# Altium PCB PCB1.PcbDoc (part 1 of 2) (continued)
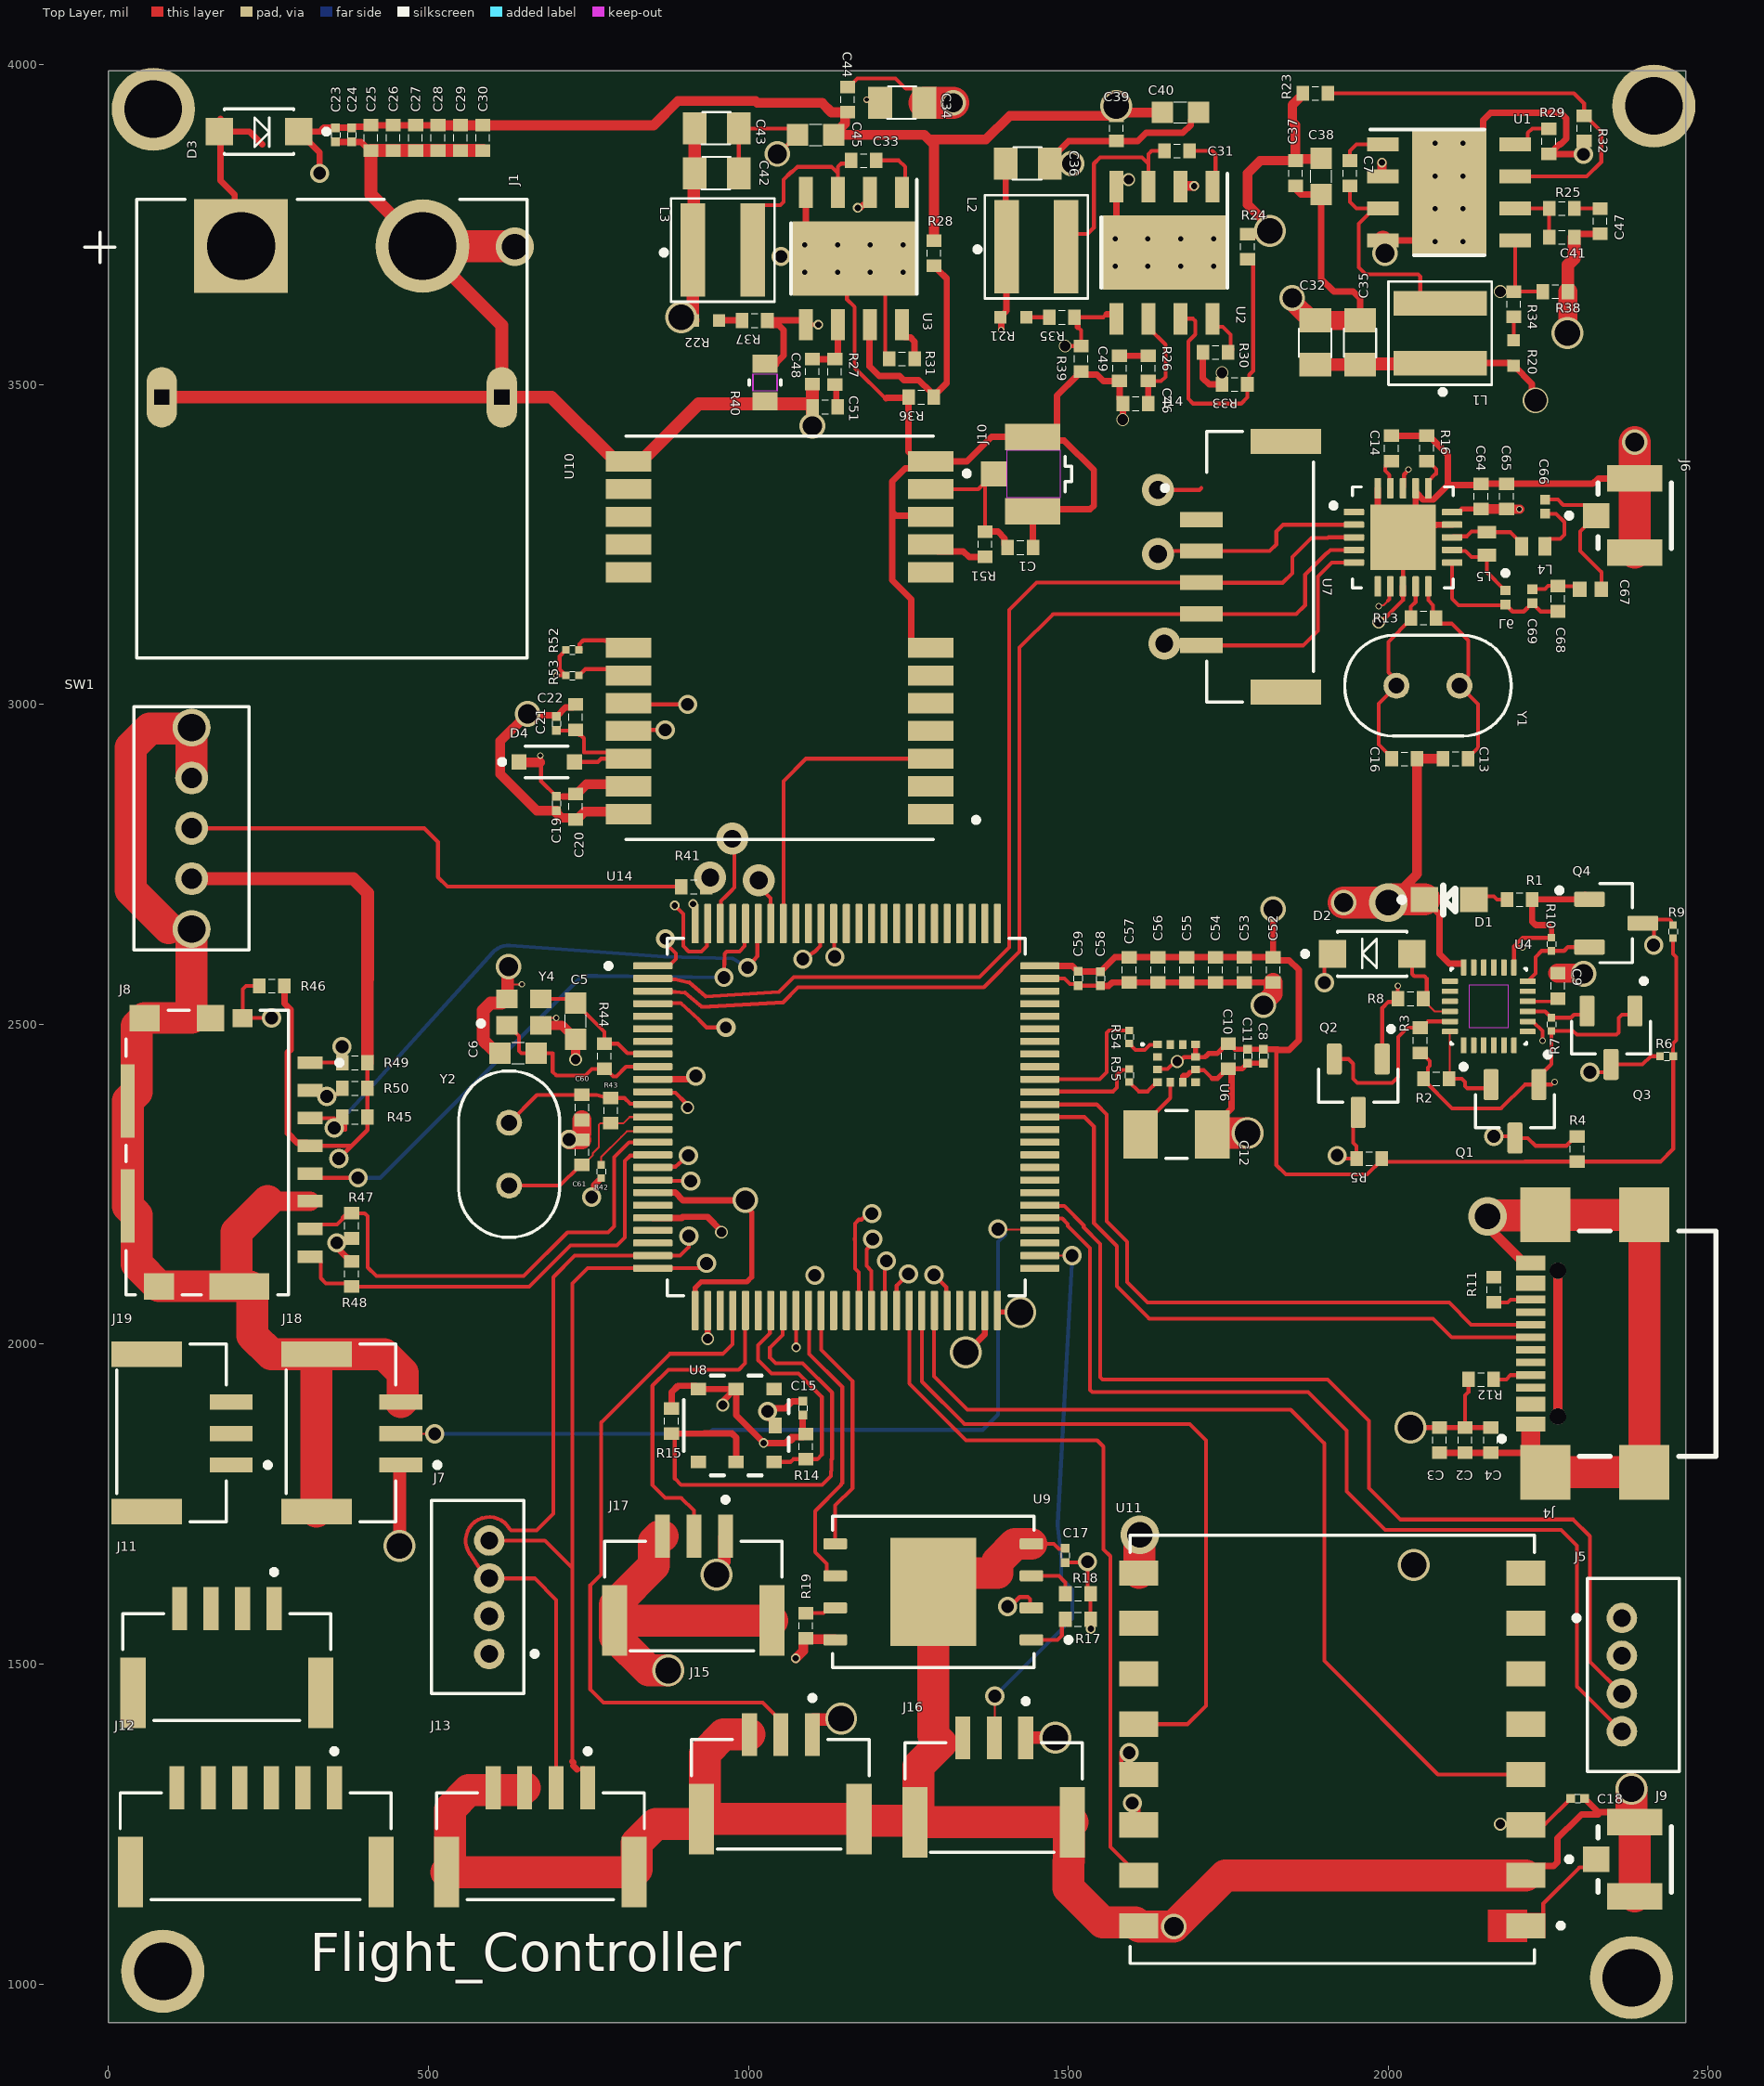
[diagram p0: Top Layer view]
## Footprints (in the part's own frame and the unit in brackets; to place one, negate y for a bottom-side part, rotate by r counter-clockwise, add the part's x,y. Pads: shape width x height; smd on the part's side, far side on the other; paste and mask are expansions set on the pad) (continued)
  rect 20x24 smd paste+0 mask+0: 1(-55,53) 2(-55,-6) 3(-55,-65) 4(59,-65) 5(59,-6) 6(59,53)
  rect 24x20 smd paste+0 mask+0: 7(2,55)
  silkscreen extent -76,-88 80,76, body extent -71,-83 75,71, height 39
BSS138 [mm]
  rrect25% 1.23x0.6 smd: 1(-0.908,0.899) 2(-0.908,-1.001) 3(1.212,-0.051)
  silkscreen extent -2.2,-1.62 0.8,1.52, body extent -1.05,-1.5 1.35,1.4, height 1.11
"C 0201 (0603 Metric)" [mm]
  rect 0.35x0.35 smd paste+0 mask+0: 1(-0.28,0) 2(0.28,0)
  silkscreen extent -0.11,-0.17 0.1,0.17, body extent -0.3,-0.15 0.3,0.15, height 0.3
"C 0402 (1005 Metric)" [mm] "Chip Capacitor, Body 1.0x0.5mm, IPC High Density"
  rect 0.5x0.6 smd: 1(-0.5,0) 2(0.5,0)
  silkscreen extent -0.13,-0.27 0.13,0.27, body extent -0.5,-0.25 0.5,0.25, height 0.52
"C 0603 (1608 Metric)" [mm]
  rect 0.85x0.85 smd paste+0 mask+0: 1(-0.72,0) 2(0.72,0)
  silkscreen extent -0.26,-0.42 0.25,0.42, body extent -0.8,-0.4 0.8,0.4, height 0.82
"C 0805" [mm]
  rect 0.95x1.27 smd: 1(-0.074,0) 2(1.679,0)
  silkscreen extent 0.2,-0.64 1.36,0.65, body extent -0.19,-0.6 1.81,0.6, height 1.2
CAPC0603X33N [mm]
  rect 0.38x0.4 smd paste+0 mask+0.102: 1(-0.281,-0.025) 2(0.281,-0.025)
  body extent -0.3,-0.18 0.3,0.12, height 0.33
CAPC1005X55N [mm]
  rect 0.54x0.6 smd: 1(-0.407,0) 2(0.457,0)
  body extent -0.47,-0.25 0.53,0.25, height 0.55
CAPC3216X190N [mm]
  rect 1.37x1.91 smd: 1(-1.269,-0.076) 2(1.573,-0.076)
  silkscreen extent -0.27,-1.03 0.57,0.87
DDA0008E_L [mm]
  rect 1.25x0.55 smd paste+0 mask+0.051: 1(-2.65,1.778) 2(-2.65,0.508) 3(-2.65,-0.762) 4(-2.65,-2.032) 5(2.6,-2.032) 6(2.6,-0.762) 7(2.6,0.508) 8(2.6,1.778)
  rect 2.95x4.9 smd paste-2.437 mask-2.438: 9(-0.025,-0.127)
  round 0.5 hole 0.203 paste-2539.97 mask-0.241: V(-0.575,-2.077) V(-0.575,-0.777) V(-0.575,0.523) V(-0.575,1.823) V(0.525,-2.077) V(0.525,-0.777) V(0.525,0.523) V(0.525,1.823)
  silkscreen extent -3.15,-2.63 1.37,2.37, body extent -3.03,-2.53 2.97,2.37, height 1.7
ICM-20948 [mm] "gyroscope"
  rrect25% 0.64x0.22 smd: 1(-1.596,0.822) 2(-1.596,0.422) 3(-1.596,0.022) 4(-1.596,-0.378) 5(-1.596,-0.778) 6(-1.596,-1.178) 13(1.494,-1.178) 14(1.494,-0.778) 15(1.494,-0.378) 16(1.494,0.022) 17(1.494,0.422) 18(1.494,0.822)
  rrect25% 0.22x0.64 smd: 7(-1.051,-1.723) 8(-0.651,-1.723) 9(-0.251,-1.723) 10(0.149,-1.723) 11(0.549,-1.723) 12(0.949,-1.723) 19(0.949,1.367) 20(0.549,1.367) 21(0.149,1.367) 22(-0.251,1.367) 23(-0.651,1.367) 24(-1.051,1.367)
  Keep-Out Layer region: 0.799,-0.948 -0.901,-0.948 -0.901,0.592 0.799,0.592
  silkscreen extent -2.55,-1.68 1.45,1.32, body extent -1.55,-1.68 1.45,1.32, height 1
IIS2MDCTR [mm]
  rect 0.35x0.3 smd: 1(-0.648,0.852) 2(-0.648,0.352) 3(-0.648,-0.148) 4(-0.648,-0.648) 7(0.852,-0.648) 8(0.852,-0.148) 9(0.852,0.352) 10(0.852,0.852)
  rect 0.3x0.35 smd: 5(-0.148,-0.648) 6(0.352,-0.648) 11(0.352,0.852) 12(-0.148,0.852)
  silkscreen extent -1.3,0.8 -1.2,0.9, body extent -0.9,-0.9 1.1,1.1, height 0.7
INDC0603X33N [mm]
  rect 0.38x0.4 smd: 1(-0.205,0.076) 2(0.357,0.076)
  silkscreen extent -0.99,-0.02 -0.79,0.18
INDC1006X60N [mm]
  rect 0.51x0.73 smd: 1(-0.308,-0.102) 2(0.612,-0.102)
IPEX_20279-001E-03 [mm]
  rect 1x1.05 smd: 1(0,-1.169)
  rect 1.05x2.2 smd: 2(1.475,0.356) 3(-1.475,0.356)
  Keep-Out Layer region: 0.95,-0.644 -0.95,-0.644 -0.95,1.456 0.95,1.456
  silkscreen extent -0.7,-2.35 0.7,1.91, body extent -1.5,-1.19 1.5,1.91, height 1.25
LQW15AN2N7G8ZD [mm]
  rect 0.51x0.73 smd: 1(-0.425,0.053) 2(0.495,0.053)
LTST-S270KGKT [mm]
  rect 1.1x1 smd: 1(0.977,0) 2(-0.977,0)
  silkscreen extent -0.25,-0.54 1.96,0.6, body extent -0.82,-0.76 0.82,0.39, height 0.63
QFN50P400X400X95-21N [mm]
  rrect25% 0.81x0.26 smd: 1(-1.874,1.025) 2(-1.874,0.525) 3(-1.874,0.025) 4(-1.874,-0.475) 5(-1.874,-0.975) 11(2.026,-0.975) 12(2.026,-0.475) 13(2.026,0.025) 14(2.026,0.525) 15(2.026,1.025)
  rrect25% 0.26x0.81 smd: 6(-0.924,-1.925) 7(-0.424,-1.925) 8(0.076,-1.925) 9(0.576,-1.925) 10(1.076,-1.925) 16(1.076,1.975) 17(0.576,1.975) 18(0.076,1.975) 19(-0.424,1.975) 20(-0.924,1.975)
  rect 2.6x2.6 smd paste-2: 21(0.076,0.025)
  silkscreen extent -2.78,-1.97 2.08,2.03, body extent -1.92,-1.97 2.08,2.03, height 0.95
QFP50P1600X1600X160-100N [mm]
  rrect25% 1.56x0.28 smd: 1(-7.731,5.619) 2(-7.731,5.119) 3(-7.731,4.619) 4(-7.731,4.119) 5(-7.731,3.619) 6(-7.731,3.119) 7(-7.731,2.619) 8(-7.731,2.119) 9(-7.731,1.619) 10(-7.731,1.119) 11(-7.731,0.619) 12(-7.731,0.119) 13(-7.731,-0.381) 14(-7.731,-0.881) 15(-7.731,-1.381) 16(-7.731,-1.881) 17(-7.731,-2.381) 18(-7.731,-2.881) 19(-7.731,-3.381) 20(-7.731,-3.881) 21(-7.731,-4.381) 22(-7.731,-4.881) 23(-7.731,-5.381) 24(-7.731,-5.881) 25(-7.731,-6.381) 51(7.629,-6.381) 52(7.629,-5.881) 53(7.629,-5.381) 54(7.629,-4.881) 55(7.629,-4.381) 56(7.629,-3.881) 57(7.629,-3.381) 58(7.629,-2.881) 59(7.629,-2.381) 60(7.629,-1.881) 61(7.629,-1.381) 62(7.629,-0.881) 63(7.629,-0.381) 64(7.629,0.119) 65(7.629,0.619) 66(7.629,1.119) 67(7.629,1.619) 68(7.629,2.119) 69(7.629,2.619) 70(7.629,3.119) 71(7.629,3.619) 72(7.629,4.119) 73(7.629,4.619) 74(7.629,5.119) 75(7.629,5.619)
  rrect25% 0.28x1.56 smd: 26(-6.051,-8.061) 27(-5.551,-8.061) 28(-5.051,-8.061) 29(-4.551,-8.061) 30(-4.051,-8.061) 31(-3.551,-8.061) 32(-3.051,-8.061) 33(-2.551,-8.061) 34(-2.051,-8.061) 35(-1.551,-8.061) 36(-1.051,-8.061) 37(-0.551,-8.061) 38(-0.051,-8.061) 39(0.449,-8.061) 40(0.949,-8.061) 41(1.449,-8.061) 42(1.949,-8.061) 43(2.449,-8.061) 44(2.949,-8.061) 45(3.449,-8.061) 46(3.949,-8.061) 47(4.449,-8.061) 48(4.949,-8.061) 49(5.449,-8.061) 50(5.949,-8.061) 76(5.949,7.299) 77(5.449,7.299) 78(4.949,7.299) 79(4.449,7.299) 80(3.949,7.299) 81(3.449,7.299) 82(2.949,7.299) 83(2.449,7.299) 84(1.949,7.299) 85(1.449,7.299) 86(0.949,7.299) 87(0.449,7.299) 88(-0.051,7.299) 89(-0.551,7.299) 90(-1.051,7.299) 91(-1.551,7.299) 92(-2.051,7.299) 93(-2.551,7.299) 94(-3.051,7.299) 95(-3.551,7.299) 96(-4.051,7.299) 97(-4.551,7.299) 98(-5.051,7.299) 99(-5.551,7.299) 100(-6.051,7.299)
  silkscreen extent -9.59,-7.48 7.05,6.72, body extent -8.05,-8.38 7.95,7.62, height 1.6
"R 0201 (0603 Metric)" [mm]
  rect 0.3x0.3 smd paste+0 mask+0: 1(-0.26,0) 2(0.26,0)
  silkscreen extent -0.11,-0.17 0.1,0.17, body extent -0.3,-0.15 0.3,0.15, height 0.23
"R 0402 (1005 Metric)" [mm] "Chip Capacitor, Body 1.0x0.5mm, IPC High Density"
  rect 0.5x0.6 smd: 1(-0.5,0) 2(0.5,0)
  silkscreen extent -0.13,-0.27 0.13,0.27, body extent -0.5,-0.25 0.5,0.25, height 0.35
RES_ERA2AEB5112X [mm]
  rect 0.475x0.5 smd: 1(-0.487,0) 2(0.537,0)
RES_ERA3A_0603_PAN [mil]
  rect 28x39 smd paste+0 mask+0: 1(-27.5,1) 2(31.5,1)
  Top Layer keep-out region: -11.5,-16.5 -11.5,18.5 15.5,18.5 15.5,-16.5
  Keep-Out Layer region: -11.5,-18.5 -11.5,20.5 15.5,20.5 15.5,-18.5
  silkscreen extent -1,-24 5,26, body extent -34,-18 38,20, height 22
"SC-90, SOD-323F" [mm]
  rect 0.6x0.6 smd paste-1: 1(-1.1,0) 2(1.1,0)
  silkscreen extent -1.88,-0.63 0.85,0.63, body extent -1.25,-0.63 1.25,0.63, height 0.8
SOD-123F [mm]
  rect 1.08x1.09 smd: 1(-1.575,0) 2(1.575,0)
  silkscreen extent -2.77,-0.9 1.38,0.9, body extent -1.83,-0.87 1.83,0.87, height 1.15
SON127P600X800X80-9N [mm]
  rrect25% 0.94x0.44 smd paste+0 mask+0.102: 1(-3.87,1.956) 2(-3.87,0.686) 3(-3.87,-0.584) 4(-3.87,-1.854) 5(3.92,-1.854) 6(3.92,-0.584) 7(3.92,0.686) 8(3.92,1.956)
  rect 3.4x4.3 smd paste-3 mask+0.102: 9(0.025,0.051)
  silkscreen extent -5.44,-2.95 4.03,3.05, body extent -3.97,-2.95 4.03,3.05, height 0.8
USB4110GFA [mm]
  rect 0.6x1.15 smd: A1/B12(-3.048,2.98) A4/B9(-2.248,2.98) B1/A12(3.352,2.98) B4/A9(2.552,2.98)
  rect 0.3x1.15 smd: A5(-1.098,2.98) A6(-0.098,2.98) A7(0.402,2.98) A8(1.402,2.98) B5(1.902,2.98) B6(0.902,2.98) B7(-0.598,2.98) B8(-1.598,2.98)
  rect 2.18x2 smd: S1(-4.958,2.405) S2(5.262,2.405) S3(-4.958,-1.525) S4(5.262,-1.525)
  round 0.65 hole 0.65 unplated: ""(-2.738,1.905) ""(3.042,1.905)
  silkscreen extent -4.32,-4.38 4.62,4.23, body extent -5.5,-4.38 5.8,3.32, height 3.26
XCVR_NEO-M9N-00B [mm]
  rect 1.8x0.8 smd paste-2: 1(-4.959,7.305) 2(-4.959,6.205) 3(-4.959,5.105) 4(-4.959,4.005) 5(-4.959,2.905) 6(-4.959,1.805) 7(-4.959,0.705) 8(-4.959,-2.295) 9(-4.959,-3.395) 10(-4.959,-4.495) 11(-4.959,-5.595) 12(-4.959,-6.695) 13(7.041,-6.695) 14(7.041,-5.595) 15(7.041,-4.495) 16(7.041,-3.395) 17(7.041,-2.295) 18(7.041,0.705) 19(7.041,1.805) 20(7.041,2.905) 21(7.041,4.005) 22(7.041,5.105) 23(7.041,6.205) 24(7.041,7.305)
  silkscreen extent -6.86,-7.7 7.14,8.3, body extent -5.06,-7.7 7.14,8.3, height 2.6
XCVR_RA-01H [mm]
  rect 1.536x1 smd paste-2 mask+0: 1(-7.428,6.797)
  rect 1.536x1 smd: 2(-7.428,4.797) 3(-7.428,2.797) 4(-7.428,0.797) 5(-7.428,-1.203) 6(-7.428,-3.203) 7(-7.428,-5.203) 8(-7.428,-7.203) 9(7.936,-7.203) 10(7.936,-5.203) 11(7.936,-3.203) 12(7.936,-1.203) 13(7.936,0.797) 14(7.936,2.797) 15(7.936,4.797) 16(7.936,6.797)
  Top Layer region: -5.934,6.162 -7.47,6.162 -7.47,6.297 -8.196,6.297 -8.196,7.297 -7.47,7.297 -7.47,7.432 -5.934,7.432
  silkscreen extent -8.91,-8.7 8.29,8.3, body extent -7.75,-8.7 8.25,8.3, height 3.4
XTAL_ECS-160-20-46X [mm]
  round 1.03 hole 0.63: 1(-1.199,0.102) 2(1.301,0.102)
  silkscreen extent -3.25,-1.9 3.35,2.1, body extent -3.35,-1.9 3.45,2.1, height 1.8
XTAL_ECS-320-8-37CKM [mm]
  rect 0.85x0.75 smd: 1(-0.7,-0.55) 2(0.65,-0.55) 3(0.65,0.5) 4(-0.7,0.5)
  silkscreen extent -1.83,-0.58 -1.63,-0.38, body extent -1.03,-0.83 0.97,0.77, height 0.55

## Part data
C1 C3 C29 C30 C52 C53 C64: "Cap Ceramic 0.01uF 50V X7R 20% SMD 0402 125°C Paper T/R", Case/Package=0402, Dielectric=X7R, Manufacturer=Murata, Max Operating Temperature=125°C, Min Operating Temperature=-55°C, Supplier Part Number=81-GRM155R71H103MA8D, Tolerance=20%, Voltage Rating (DC)=50V, Category="Ceramic Capacitors", ComponentLink1Description=https://datasheet.ciiva.com/11619/product-11619919.pdf?src-supplier=Avnet, ComponentLink1URL=https://datasheet.ciiva.com/11619/product-11619919.pdf?src-supplier=Avnet, Construction=Flat, Depth=0.5mm, Height=0.5mm, Length=1mm, Manufacturer Part Number=GRM155R71H103MA88D, Mounting Technology="Surface Mount", Packaging="Tape and Reel", Pricing="1=0.10000, 10=0.01200, 50=0.01200, 100=0.01000, 1000=0.00600, 10000=0.00400 (USD)", Radiation Hardening=No, RoHS=Yes, RoHS Compliant=Yes, Stock=64523, Supplier=Mouser, Thickness=500um, Width=500um
C2 C7 C9 C27 C28 C31 C33 C37 C39 C44 C54 C55: "0402 0.1 uF 25 V ±10% Tolerance X8L Surface Mount Multilayer Ceramic Capacitor", Case/Package=0402, Manufacturer=Murata, Supplier Part Number=490-18203-6-ND, Category="Ceramic Capacitors", ComponentLink1Description=https://psearch.en.murata.com/capacitor/product/GCM155L81E104KE02%23.pdf?src-supplier=Digi-Key, ComponentLink1URL=https://psearch.en.murata.com/capacitor/product/GCM155L81E104KE02%23.pdf?src-supplier=Digi-Key, Manufacturer Part Number=GCM155L81E104KE02D, Pricing="1=0.10000, 10=0.04000, 50=0.02180, 100=0.01780, 500=0.01272, 1000=0.01000, 2500=0.00909, 5000=0.00836 (USD)", RoHS=Yes, RoHS Compliant=Yes, Stock=32810, Supplier=Digi-Key
C4 C25 C26 C56 C57: "Multilayer Ceramic Capacitor, 1 uF, 6.3 V, ± 20%, X5R, 0402 [1005 Metric]", Case/Package=0402, Manufacturer=Murata, Supplier Part Number=81-GRM152R60J105ME5D, Category="Ceramic Capacitors", ComponentLink1Description=http://search.murata.co.jp/Ceramy/image/img/A01X/G101/ENG/GRM152R60J105ME15-01.pdf?src-supplier=Digikey, ComponentLink1URL=http://search.murata.co.jp/Ceramy/image/img/A01X/G101/ENG/GRM152R60J105ME15-01.pdf?src-supplier=Digikey, ComponentLink2Description=https://datasheet.octopart.com/GRM152R60J105ME15D-Murata-datasheet-149522820.pdf?src-supplier=Newark, ComponentLink2URL=https://datasheet.octopart.com/GRM152R60J105ME15D-Murata-datasheet-149522820.pdf?src-supplier=Newark, ComponentLink3Description=https://datasheet.octopart.com/GRM152R60J105ME15D-Murata-datasheet-32479577.pdf?src-supplier=Future+Electronics, ComponentLink3URL=https://datasheet.octopart.com/GRM152R60J105ME15D-Murata-datasheet-32479577.pdf?src-supplier=Future+Electronics, Height=220um, Manufacturer Part Number=GRM152R60J105ME15D, Material=4241ConductorMaterial, Pricing="1=0.2, 10=0.085, 50=0.085, 100=0.051, 1000=0.043, 10000=0.036 (USD)", RoHS=Yes, Stock=134223, Supplier=Mouser
C5 C6: "Multilayer Ceramic Capacitor, 10 pF, 100 V, ± 5%, C0G (NP0), 0603 [1608 Metric]", Case Code (Imperial)=0603, Case Code (Metric)=1608, Dielectric=C0G, Manufacturer=Murata, Max Operating Temperature=125°C, Min Operating Temperature=-55°C, Package Quantity=10000, Supplier Part Number=81-GCM1885C2A100JA6J, Temperature Coefficient=30ppm/°C, Tolerance=5%, Voltage Rating=100V, Case/Package=0603, Category="Ceramic Capacitors", ComponentLink1Description=https://datasheet.ciiva.com/11607/product-11607387.pdf?src-supplier=Avnet, ComponentLink1URL=https://datasheet.ciiva.com/11607/product-11607387.pdf?src-supplier=Avnet, Construction=Flat, Depth=0.8mm, Height=0.8mm, Length=1.6mm, Manufacturer Part Number=GCM1885C2A100JA16J, Material=4241ConductorMaterial, Mounting Technology="Surface Mount", Packaging="Tape and Reel", Pricing="1=0.1, 10=0.045, 50=0.045, 100=0.026, 1000=0.02, 10000=0.014 (USD)", Radiation Hardening=No, RoHS=Yes, RoHS Compliant=Yes, Series=GCM, Stock=22276, Supplier=Mouser, Termination=SMD/SMT, Thickness=800um, Voltage Rating (DC)=100V, Width=800um
C8 C11 C15 C17 C19 C21: "Ceramic Capacitor, Multilayer, Ceramic, 10V, 10% +Tol, 10% -Tol, X7R, 15% TC, 0.1uF, Surface Mount, 0201", Case/Package=0201, Dielectric Material=Ceramic, Manufacturer="Cal-Chip Electronics", Max Operating Temperature=125°C, Min Operating Temperature=-55°C, Supplier Part Number=4713-GMC02X7R104K10NTCT-ND, Voltage Rating (DC)=10V, Category="Ceramic Capacitors", China RoHS=Compliant, ComponentLink1Description=https://datasheet.octopart.com:443/GMC02X7R104K10NT-Cal-Chip-Electronics-datasheet-182028815.pdf?src-supplier=IHS, ComponentLink1URL=https://datasheet.octopart.com:443/GMC02X7R104K10NT-Cal-Chip-Electronics-datasheet-182028815.pdf?src-supplier=IHS, Height=330µm, Length=600µm, Lifecycle Status=Production, Manufacturer Part Number=GMC02X7R104K10NT, Mounting Technology="Surface Mount", Number of Terminals=2, Pricing="1=0.1, 10=0.028, 50=0.0186, 100=0.0158, 500=0.0112, 1000=0.00978, 2500=0.0083, 5000=0.00741 (USD)", REACH SVHC=Yes, RoHS=Compliant, Stock=1793015, Supplier=DigiKey, Width=300µm
C10 C20 C22: "Multilayer Ceramic Capacitor, 10 uF, 10 V, ± 20%, X5R, 0402 [1005 Metric]", Case/Package=0402, Manufacturer=Murata, Supplier Part Number=490-GRM155R61A106ME11DCT-ND, Category="Ceramic Capacitors", ComponentLink1Description=https://datasheet.octopart.com/GRM155R61A106ME11D-Murata-datasheet-155239053.pdf?src-supplier=Element14, ComponentLink1URL=https://datasheet.octopart.com/GRM155R61A106ME11D-Murata-datasheet-155239053.pdf?src-supplier=Element14, ComponentLink2Description=https://datasheet.octopart.com/GRM155R61A106ME11D-Murata-datasheet-165579666.pdf?src-supplier=TME, ComponentLink2URL=https://datasheet.octopart.com/GRM155R61A106ME11D-Murata-datasheet-165579666.pdf?src-supplier=TME, Manufacturer Part Number=GRM155R61A106ME11D, Pricing="1=0.12, 10=0.084, 50=0.0478, 100=0.0396, 500=0.02776, 1000=0.02298, 2500=0.02138, 5000=0.01956 (USD)", RoHS=Yes, Stock=37673, Supplier=Digi-Key
C12: library part GRM31CR60E227ME11L, "220 µF ±20% 2.5V Ceramic Capacitor X5R 1206 (3216 Metric)", Manufacturer Part Number=GRM31CR60E227ME11L
C13 C16 C60 C61: "Cap Ceramic 22pF 50V C0G 1% Pad SMD 0402 125C Automotive T/R", Case/Package=0402, Manufacturer=Murata, Max Operating Temperature=125°C, Min Operating Temperature=-55°C, Supplier Part Number=81-GCM1555C1H220FA6J, Temperature Coefficient=30ppm/°C, Voltage Rating=50V, Category="Ceramic Capacitors", Height=550um, Length=1mm, Manufacturer Part Number=GCM1555C1H220FA16J, Material=4241ConductorMaterial, Pricing="1=0.1, 10=0.034, 50=0.034, 100=0.022, 1000=0.018, 10000=0.013 (USD)", RoHS=Yes, RoHS Compliant=Yes, Stock=64515, Supplier=Mouser, Thickness=500um, Width=500um
C14: "0402 16 V 0.033 uF ±10% Tolerance X7R Multilayer Ceramic Capacitor", Case/Package=0402, Manufacturer=Murata, Supplier Part Number=81-GCM155R71C333KA7D, Category="Ceramic Capacitors", ComponentLink1Description=https://datasheet.ciiva.com/11605/product-11605431.pdf?src-supplier=Avnet, ComponentLink1URL=https://datasheet.ciiva.com/11605/product-11605431.pdf?src-supplier=Avnet, ComponentLink2Description=https://datasheet.ciiva.com/164/s0717e-164239.pdf?src-supplier=Digikey, ComponentLink2URL=https://datasheet.ciiva.com/164/s0717e-164239.pdf?src-supplier=Digikey, Manufacturer Part Number=GCM155R71C333KA37D, Material=4241ConductorMaterial, Pricing="1=0.1, 10=0.016, 50=0.016, 100=0.01, 1000=0.008, 10000=0.007 (USD)", RoHS=Yes, Stock=56799, Supplier=Mouser
C18 C23 C24 C58 C59: "Multilayer Ceramic Capacitor, 4.7 uF, 6.3 V, ± 20%, X5R, 0201 [0603 Metric]", Case/Package=0201, Dielectric=1537DielectricType, Manufacturer=Murata, Max Operating Temperature=85°C, Min Operating Temperature=-55°C, Tolerance=20%, Voltage Rating=6.3V, Category="Ceramic Capacitors", ComponentLink1Description=https://datasheet.octopart.com/GRM035R60J475ME15J-Murata-datasheet-165579666.pdf?src-supplier=TME, ComponentLink1URL=https://datasheet.octopart.com/GRM035R60J475ME15J-Murata-datasheet-165579666.pdf?src-supplier=TME, Height=550um, Length=600um, Manufacturer Part Number=GRM035R60J475ME15J, Material=4241ConductorMaterial, Pricing="50000=0.03841 (USD)", RoHS=Yes, RoHS Compliant=Yes, Stock=50000, Supplier=Avnet, Supplier Part Number=GRM035R60J475ME15J, Thickness=500um, Voltage Rating (DC)=6.3V, Width=300um
C32 C34 C35 C36 C42 C43: "Multilayer Ceramic Capacitor, 47 uF, 10 V, ï¿½ 20%, X5R, 0805 [2012 Metric]", Case Code (Imperial)=0805, Case Code (Metric)=2012, Dielectric=X5R, Dielectric Material=Ceramic, Manufacturer=Murata, Max Operating Temperature=85°C, Min Operating Temperature=-55°C, Supplier Part Number=2611939, Tolerance=20%, Voltage=10V, Case/Package=0805, Category="Ceramic Capacitors", ComponentLink1Description=http://www.farnell.com/datasheets/2079183.pdf?src-supplier=Farnell, ComponentLink1URL=http://www.farnell.com/datasheets/2079183.pdf?src-supplier=Farnell, ComponentLink2Description=http://www.farnell.com/datasheets/2079183.pdf?src-supplier=Newark, ComponentLink2URL=http://www.farnell.com/datasheets/2079183.pdf?src-supplier=Newark, ComponentLink3Description=http://www.farnell.com/datasheets/2079183.pdf?src-supplier=Element14, ComponentLink3URL=http://www.farnell.com/datasheets/2079183.pdf?src-supplier=Element14, ComponentLink4Description=https://datasheet.octopart.com/GRM21BR61A476ME15L-Murata-datasheet-66077109.pdf?src-supplier=Element14, ComponentLink4URL=https://datasheet.octopart.com/GRM21BR61A476ME15L-Murata-datasheet-66077109.pdf?src-supplier=Element14, ComponentLink5Description=http://search.murata.co.jp/Ceramy/image/img/A01X/G101/ENG/GRM21BR61A476ME15-01.pdf?src-supplier=Digikey, ComponentLink5URL=http://search.murata.co.jp/Ceramy/image/img/A01X/G101/ENG/GRM21BR61A476ME15-01.pdf?src-supplier=Digikey, ComponentLink6Description=https://search.murata.co.jp/Ceramy/image/img/A01X/G101/ENG/GRM21BR61A476ME15-01.pdf?src-supplier=Digikey, ComponentLink6URL=https://search.murata.co.jp/Ceramy/image/img/A01X/G101/ENG/GRM21BR61A476ME15-01.pdf?src-supplier=Digikey, ComponentLink7Description=http://psearch.en.murata.com/capacitor/product/GRM21BR61A476ME15%23.pdf?src-supplier=Avnet, ComponentLink7URL=http://psearch.en.murata.com/capacitor/product/GRM21BR61A476ME15%23.pdf?src-supplier=Avnet, Depth=1.25mm, Dissipation Factor=0.035%, Height=1.25mm, Lead Free="Lead Free", Length=0.079inch, Manufacturer Part Number=GRM21BR61A476ME15L, Material=4241ConductorMaterial, Mounting Technology="Surface Mount", Packaging="Cut Tape", Pricing="5=0.389, 50=0.251, 250=0.234, 500=0.217, 1500=0.213 (EUR)", Reach SVHC Compliant=No, RoHS=Yes, RoHS Compliant=Yes, Series=GRM, Stock=320783, Supplier=Farnell, Termination=SMD/SMT, Thickness=0.057inch, Voltage Rating=10V, Voltage Rating (DC)=10V, Width=0.049inch
C38 C40 C45: "10V 10uF X6S ±20% 0603 Multilayer Ceramic Capacitors MLCC - SMD/SMT ROHS", Case Code (Imperial)=0603, Case Code (Metric)=1608, Dielectric=X6S, Dielectric Material=Ceramic, Manufacturer=Murata, Manufacturer Lifecycle Status="IN PRODUCTION", Max Operating Temperature=105°C, Min Operating Temperature=-55°C, Tolerance=20%, Voltage Rating=10V, Case/Package=0603, Category="Ceramic Capacitors", ComponentLink1Description=https://datasheet.octopart.com:443/GRM188C81A106MA73D-Murata-datasheet-141274651.pdf?src-supplier=Future+Electronics, ComponentLink1URL=https://datasheet.octopart.com:443/GRM188C81A106MA73D-Murata-datasheet-141274651.pdf?src-supplier=Future+Electronics, ComponentLink2Description=https://datasheet.octopart.com:443/GRM188C81A106MA73D-Murata-datasheet-96971104.pdf?src-supplier=Future+Electronics, ComponentLink2URL=https://datasheet.octopart.com:443/GRM188C81A106MA73D-Murata-datasheet-96971104.pdf?src-supplier=Future+Electronics, ComponentLink3Description=https://datasheet.octopart.com:443/GRM188C81A106MA73D-Murata-datasheet-22122223.pdf?src-supplier=Future+Electronics, ComponentLink3URL=https://datasheet.octopart.com:443/GRM188C81A106MA73D-Murata-datasheet-22122223.pdf?src-supplier=Future+Electronics, ComponentLink4Description=https://datasheet.octopart.com:443/GRM188C81A106MA73D-Murata-datasheet-149523171.pdf?src-supplier=Farnell, ComponentLink4URL=https://datasheet.octopart.com:443/GRM188C81A106MA73D-Murata-datasheet-149523171.pdf?src-supplier=Farnell, ComponentLink5Description=https://datasheet.octopart.com:443/GRM188C81A106MA73D-Murata-datasheet-66077086.pdf?src-supplier=element14+APAC, ComponentLink5URL=https://datasheet.octopart.com:443/GRM188C81A106MA73D-Murata-datasheet-66077086.pdf?src-supplier=element14+APAC, ComponentLink6Description=https://datasheet.octopart.com:443/GRM188C81A106MA73D-Murata-datasheet-165579666.pdf?src-supplier=TME, ComponentLink6URL=https://datasheet.octopart.com:443/GRM188C81A106MA73D-Murata-datasheet-165579666.pdf?src-supplier=TME, ComponentLink7Description=https://datasheet.octopart.com:443/GRM188C81A106MA73D-Murata-datasheet-140703321.pdf?src-supplier=Ciiva, ComponentLink7URL=https://datasheet.octopart.com:443/GRM188C81A106MA73D-Murata-datasheet-140703321.pdf?src-supplier=Ciiva, ComponentLink8Description=https://datasheet.octopart.com:443/GRM188C81A106MA73D-Murata-datasheet-138742663.pdf?src-supplier=Ciiva, ComponentLink8URL=https://datasheet.octopart.com:443/GRM188C81A106MA73D-Murata-datasheet-138742663.pdf?src-supplier=Ciiva, ComponentLink9Description=https://datasheet.octopart.com/GRM188C81A106MA73D-Murata-datasheet-12515295.pdf, ComponentLink9URL=https://datasheet.octopart.com/GRM188C81A106MA73D-Murata-datasheet-12515295.pdf, ComponentLink10Description=https://datasheet.octopart.com/GRM188C81A106MA73D-Murata-datasheet-12510076.pdf, ComponentLink10URL=https://datasheet.octopart.com/GRM188C81A106MA73D-Murata-datasheet-12510076.pdf, ComponentLink11Description=https://datasheet.octopart.com/GRM188C81A106MA73D-Murata-datasheet-11978611.pdf, ComponentLink11URL=https://datasheet.octopart.com/GRM188C81A106MA73D-Murata-datasheet-11978611.pdf, ComponentLink12Description=https://datasheet.octopart.com/GRM188C81A106MA73D-Murata-datasheet-10025737.pdf, ComponentLink12URL=https://datasheet.octopart.com/GRM188C81A106MA73D-Murata-datasheet-10025737.pdf, ComponentLink13Description=https://datasheet.octopart.com/GRM188C81A106MA73D-Murata-datasheet-8819587.pdf, ComponentLink13URL=https://datasheet.octopart.com/GRM188C81A106MA73D-Murata-datasheet-8819587.pdf, ComponentLink14Description=https://datasheet.octopart.com/GRM188C81A106MA73D-Murata-datasheet-14400899.pdf, ComponentLink14URL=https://datasheet.octopart.com/GRM188C81A106MA73D-Murata-datasheet-14400899.pdf, ComponentLink15Description=http://sigma.octopart.com:80/reach_statement/Murata-company-16.pdf?src-supplier=Compliance+Statements, ComponentLink15URL=http://sigma.octopart.com:80/reach_statement/Murata-company-16.pdf?src-supplier=Compliance+Statements, Height=800µm, Lead Free="Lead Free", Length=1.6mm, Lifecycle Status=Production, Manufacturer Part Number=GRM188C81A106MA73D, Material=Ceramic, Mounting Technology="Surface Mount", Number of Terminals=2, Pricing="1642=0.0461, 3000=0.045, 6000=0.045, 15000=0.044 (USD)", REACH SVHC=Yes, RoHS=Compliant, Schedule B="8532240020, 8532240020|8532240020, 8532240020|8532240020|8532240020, 8532240020|8532240020|8532240020|8532240020", Stock=15369, Supplier="Arrow Electronics", Supplier Part Number=GRM188C81A106MA73D, Thickness=800µm, Voltage Rating (DC)=10V, Width=800µm